# KiCad board RS64c.kicad_pcb
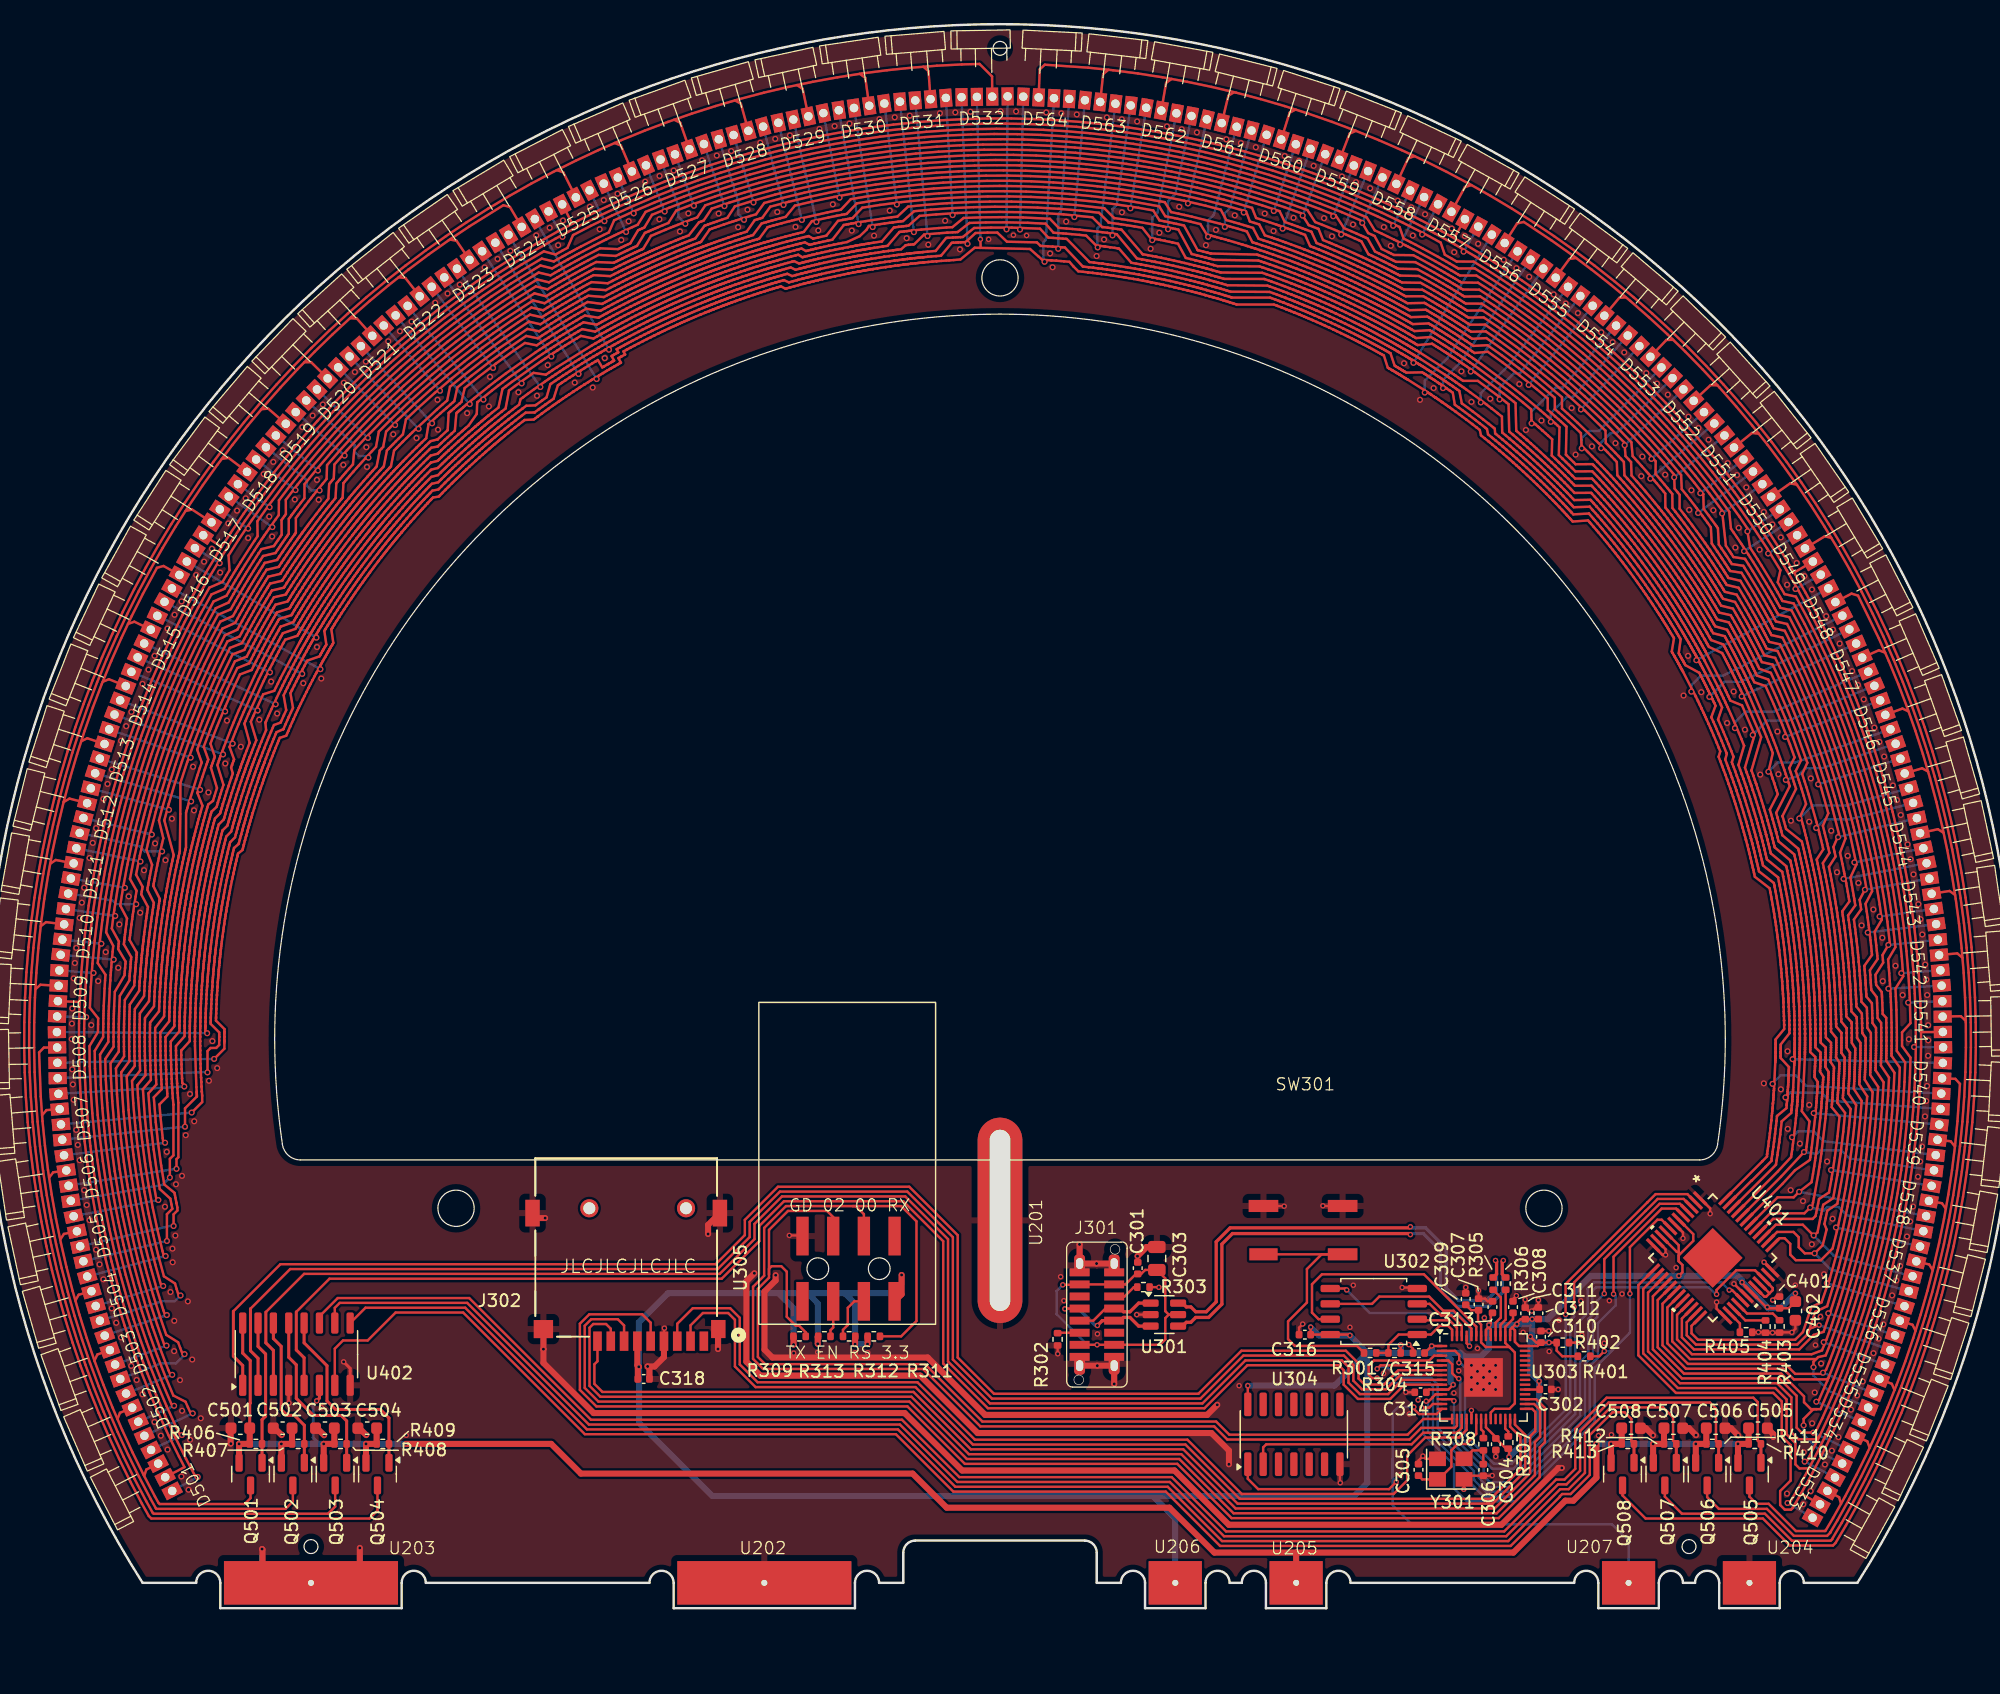
[diagram p0: board, top side]
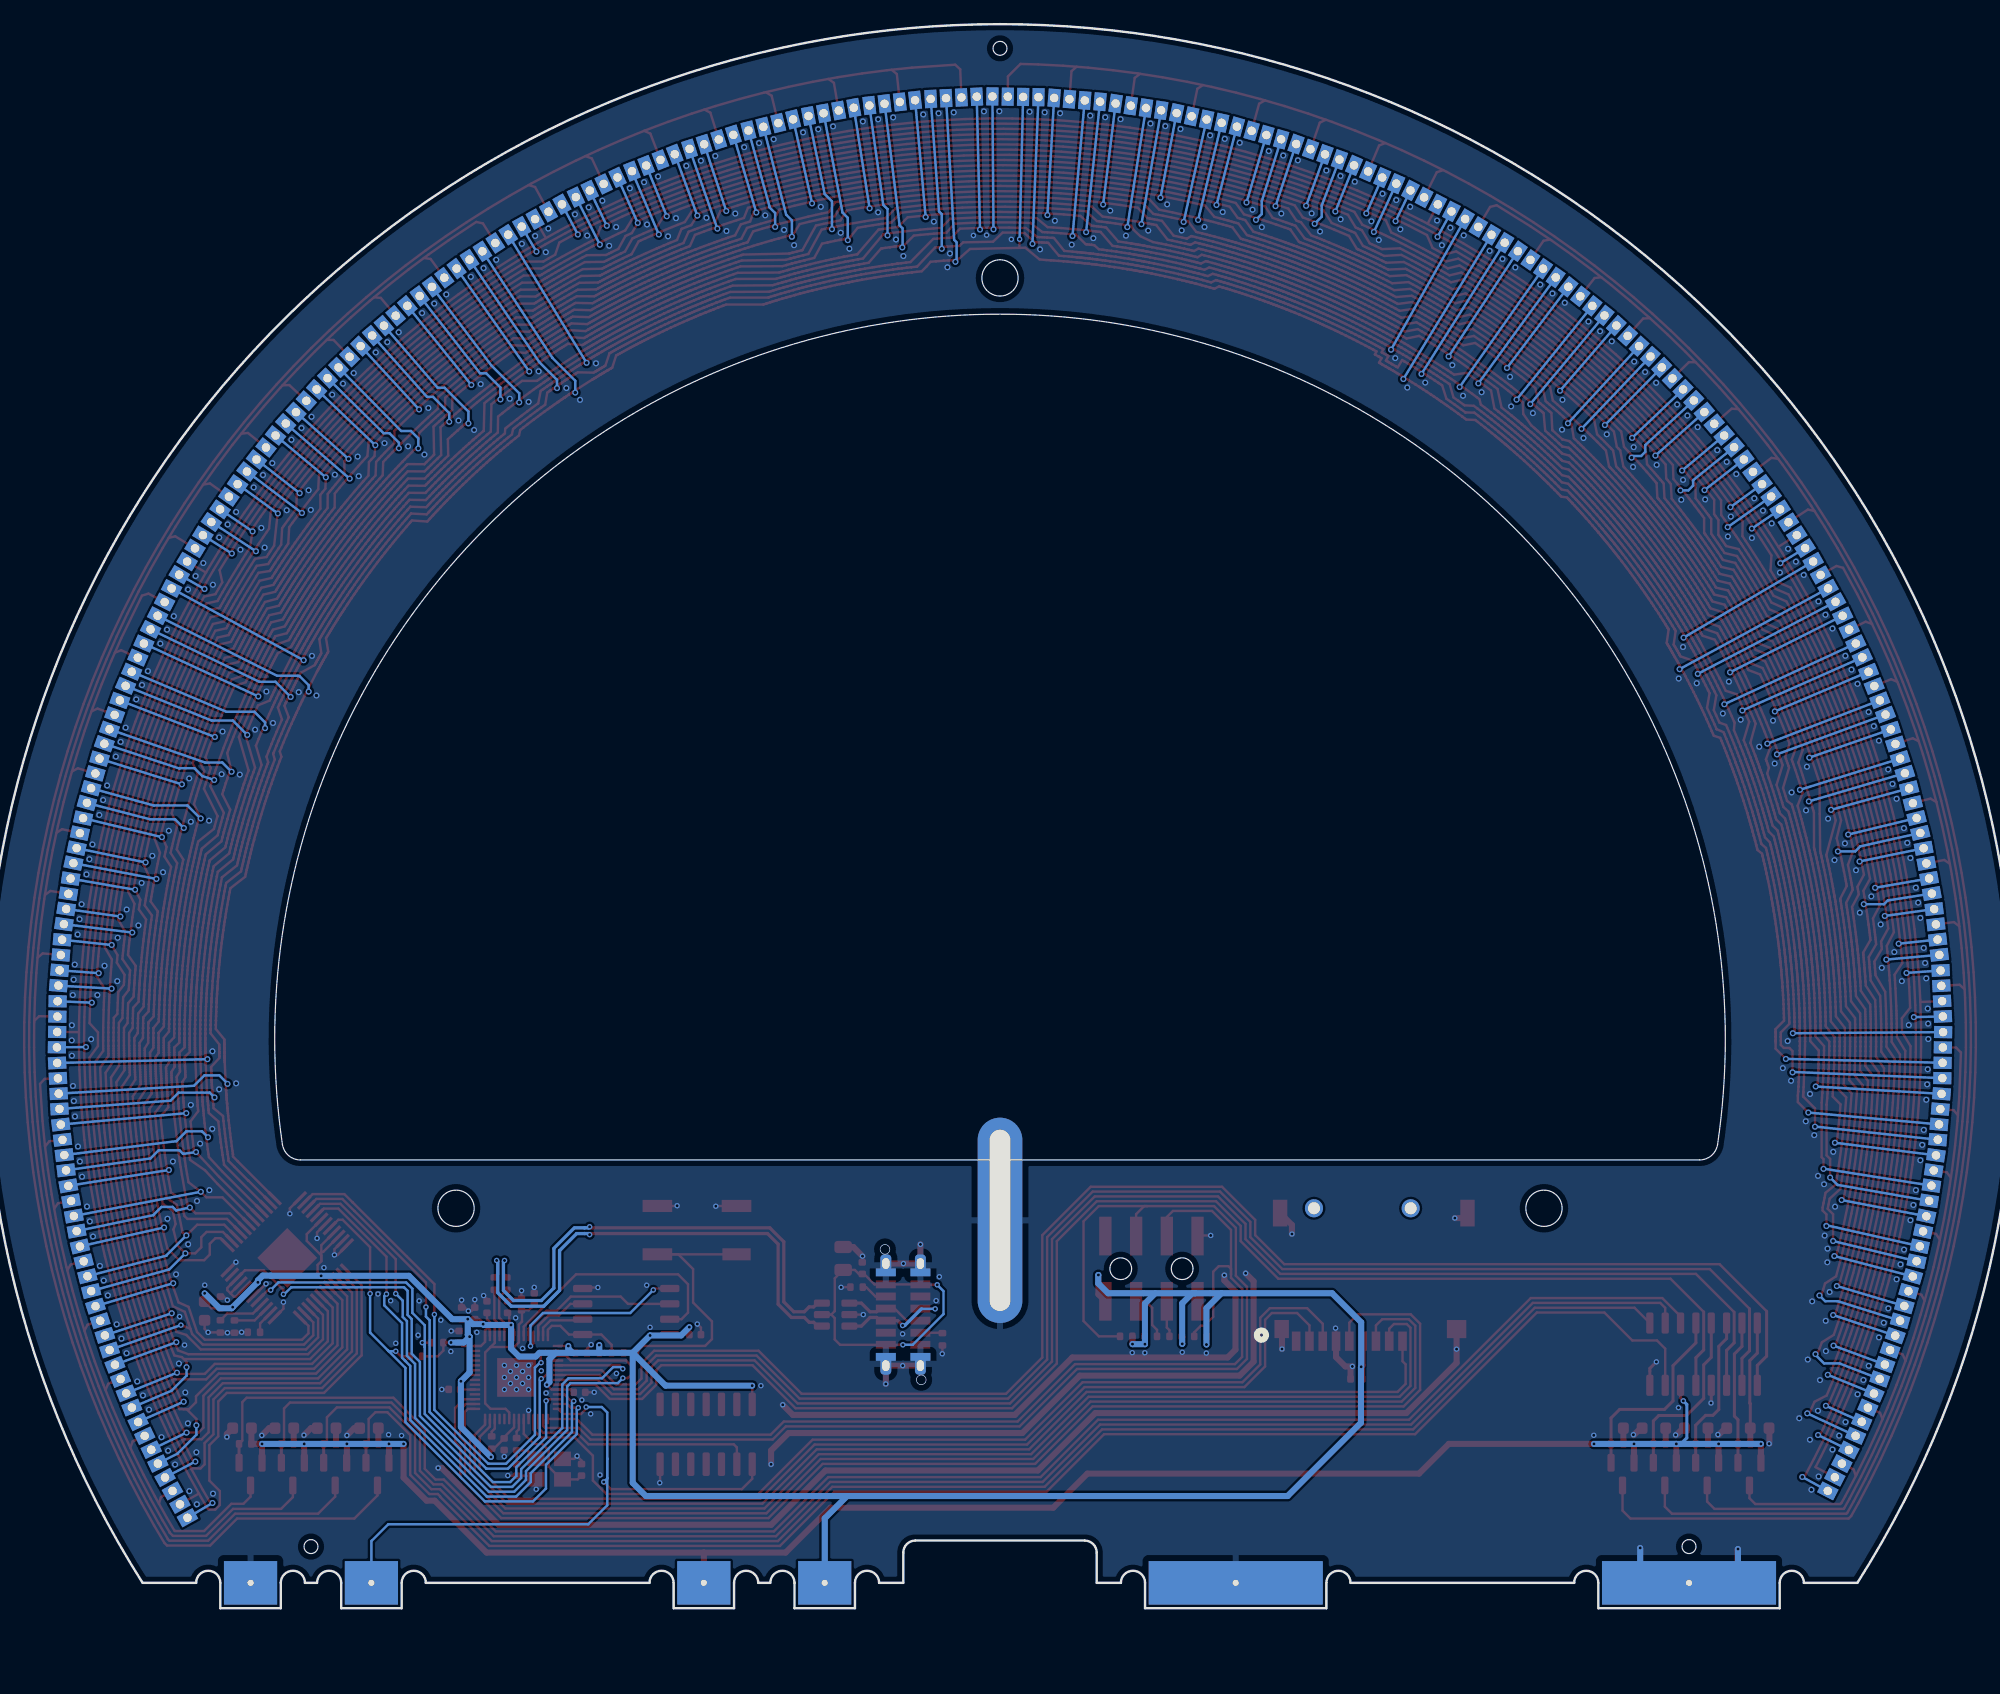
[diagram p1: board, bottom side, seen from below]

Outline 168 x 131.1 mm; copper layers: Top, In1.Cu, In2.Cu, Bottom. Coordinates in mm from the lower left corner of the outline.
Outline path: circle c39,33.1 r1.5 ; circle c84,110.1 r1.5 ; circle c129,33.1 r1.5 ; 13.07,2.1 arc(84,131.1) 154.93,2.1 150.5,2.1 arc(149.5,3.1) 148.5,2.1 148.5,0 143.5,0 143.5,2.1 arc(142.5,3.1) 141.5,2.1 140.5,2.1 arc(139.5,3.1) 138.5,2.1 138.5,0 133.5,0 133.5,2.1 arc(132.5,3.1) 131.5,2.1 113,2.1 arc(112,3.1) 111,2.1 111,0 106,0 106,2.1 arc(105,3.1) 104,2.1 103,2.1 arc(102,3.1) 101,2.1 101,0 96,0 96,2.1 arc(95,3.1) 94,2.1 92,2.1 92,4.6 arc(91.71,5.31) 91,5.6 77,5.6 arc(76.29,5.31) 76,4.6 76,2.1 74,2.1 arc(73,3.1) 72,2.1 72,0 57,0 57,2.1 arc(56,3.1) 55,2.1 36.5,2.1 arc(35.5,3.1) 34.5,2.1 34.5,0 19.5,0 19.5,2.1 arc(18.5,3.1) 17.5,2.1 13.07,2.1 ; 24.64,38.38 arc(84,107.1) 143.36,38.38 arc(142.86,37.46) 141.88,37.1 26.12,37.1 arc(25.14,37.46) 24.64,38.38
Stack: Top 0.035mm / dielectric 0.2104mm FR4 er 4.5 / In1.Cu 0.0152mm / dielectric 1.065mm FR4 er 4.5 / In2.Cu 0.0152mm / dielectric 0.2104mm FR4 er 4.5 / Bottom 0.035mm

## Placement (name value [footprint] x y rotation side)
C301  100nF  [C_0402_1005Metric]  95.39 28.15 270 top
C302  100nF  [C_0402_1005Metric]  129.13 18.11 180 top
C303  10µF  [C_0805_2012Metric]  96.97 28.95 90 top
C304  100nF  [C_0402_1005Metric]  125.02 13.57 270 top
C305  27pF  [C_0402_1005Metric]  118.62 11.45 270 top
C306  27pF  [C_0402_1005Metric]  123.98 11.44 270 top
C307  100nF  [C_0402_1005Metric]  123.59 25.14 270 top
C308  100nF  [C_0402_1005Metric]  126.44 24.92 270 top
C309  1µF  [C_0402_1005Metric]  122.53 25.59 270 top
C310  100nF  [C_0402_1005Metric]  128.75 22.46 270 top
C311  1µF  [C_0402_1005Metric]  127.45 24.4 270 top
C312  100nF  [C_0402_1005Metric]  128.54 24.41 270 top
C313  100nF  [C_0402_1005Metric]  124.74 24.92 270 top
C314  100nF  [C_0402_1005Metric]  118.79 17.87 0 top
C315  100nF  [C_0402_1005Metric]  118.65 21.12 0 top
C316  100nF  [C_0402_1005Metric]  109.22 22.64 0 top
C318  100nF  [C_0402_1005Metric]  54.52 18.97 180 top
C401  100nF  [C_0402_1005Metric]  148.49 25.31 90 top
C402  10µF  [C_0603_1608Metric]  149.8 24.61 270 top
C501  10µF  [C_0603_1608Metric]  21.15 14.9 180 top
C502  10µF  [C_0603_1608Metric]  24.65 14.9 180 top
C503  10µF  [C_0603_1608Metric]  28.15 14.9 180 top
C504  10µF  [C_0603_1608Metric]  31.65 14.9 180 top
C505  10µF  [C_0603_1608Metric]  146.7 14.9 0 top
C506  10µF  [C_0603_1608Metric]  143.2 14.9 0 top
C507  10µF  [C_0603_1608Metric]  139.7 14.9 0 top
C508  10µF  [C_0603_1608Metric]  136.2 14.9 0 top
D501  LED_BARG  [Straw_Hat_RGB_left]  14.65 11.4 117.2 top
D502  LED_BARG  [Straw_Hat_RGB_left]  12.46 16.02 113.5 top
D503  LED_BARG  [Straw_Hat_RGB_left]  10.58 20.77 109.7 top
D504  LED_BARG  [Straw_Hat_RGB_left]  9.01 25.63 106 top
D505  LED_BARG  [Straw_Hat_RGB_left]  7.77 30.58 102.2 top
D506  LED_BARG  [Straw_Hat_RGB_left]  6.85 35.6 98.5 top
D507  LED_BARG  [Straw_Hat_RGB_left]  6.26 40.67 94.7 top
D508  LED_BARG  [Straw_Hat_RGB_left]  6.01 45.77 91 top
D509  LED_BARG  [Straw_Hat_RGB_left]  6.09 50.88 87.2 top
D510  LED_BARG  [Straw_Hat_RGB_left]  6.51 55.97 83.5 top
D511  LED_BARG  [Straw_Hat_RGB_left]  7.25 61.02 79.7 top
D512  LED_BARG  [Straw_Hat_RGB_left]  8.33 66.01 76 top
D513  LED_BARG  [Straw_Hat_RGB_left]  9.73 70.92 72.2 top
D514  LED_BARG  [Straw_Hat_RGB_left]  11.44 75.73 68.5 top
D515  LED_BARG  [Straw_Hat_RGB_left]  13.47 80.42 64.7 top
D516  LED_BARG  [Straw_Hat_RGB_left]  15.8 84.96 61 top
D517  LED_BARG  [Straw_Hat_RGB_left]  18.43 89.34 57.2 top
D518  LED_BARG  [Straw_Hat_RGB_left]  21.33 93.54 53.5 top
D519  LED_BARG  [Straw_Hat_RGB_left]  24.5 97.54 49.7 top
D520  LED_BARG  [Straw_Hat_RGB_left]  27.93 101.33 46 top
D521  LED_BARG  [Straw_Hat_RGB_left]  31.6 104.88 42.2 top
D522  LED_BARG  [Straw_Hat_RGB_left]  35.49 108.18 38.5 top
D523  LED_BARG  [Straw_Hat_RGB_left]  39.59 111.23 34.7 top
D524  LED_BARG  [Straw_Hat_RGB_left]  43.88 113.99 30.9 top
D525  LED_BARG  [Straw_Hat_RGB_left]  48.35 116.48 27.2 top
D526  LED_BARG  [Straw_Hat_RGB_left]  52.96 118.66 23.4 top
D527  LED_BARG  [Straw_Hat_RGB_left]  57.71 120.54 19.7 top
D528  LED_BARG  [Straw_Hat_RGB_left]  62.57 122.1 15.9 top
D529  LED_BARG  [Straw_Hat_RGB_left]  67.53 123.34 12.2 top
D530  LED_BARG  [Straw_Hat_RGB_left]  72.55 124.26 8.4 top
D531  LED_BARG  [Straw_Hat_RGB_left]  77.62 124.84 4.7 top
D532  LED_BARG  [Straw_Hat_RGB_left]  82.72 125.09 0.9 top
D533  LED_BARG  [Straw_Hat_RGB_right]  152.15 9.15 240.9 top
D534  LED_BARG  [Straw_Hat_RGB_right]  154.48 13.69 244.6 top
D535  LED_BARG  [Straw_Hat_RGB_right]  156.52 18.38 248.4 top
D536  LED_BARG  [Straw_Hat_RGB_right]  158.24 23.18 252.1 top
D537  LED_BARG  [Straw_Hat_RGB_right]  159.65 28.09 255.9 top
D538  LED_BARG  [Straw_Hat_RGB_right]  160.73 33.08 259.6 top
D539  LED_BARG  [Straw_Hat_RGB_right]  161.48 38.13 263.4 top
D540  LED_BARG  [Straw_Hat_RGB_right]  161.9 43.22 267.2 top
D541  LED_BARG  [Straw_Hat_RGB_right]  161.99 48.33 270.9 top
D542  LED_BARG  [Straw_Hat_RGB_right]  161.74 53.43 274.7 top
D543  LED_BARG  [Straw_Hat_RGB_right]  161.16 58.5 278.4 top
D544  LED_BARG  [Straw_Hat_RGB_right]  160.25 63.53 282.2 top
D545  LED_BARG  [Straw_Hat_RGB_right]  159.01 68.48 285.9 top
D546  LED_BARG  [Straw_Hat_RGB_right]  157.45 73.34 289.7 top
D547  LED_BARG  [Straw_Hat_RGB_right]  155.58 78.09 293.4 top
D548  LED_BARG  [Straw_Hat_RGB_right]  153.4 82.71 297.2 top
D549  LED_BARG  [Straw_Hat_RGB_right]  150.92 87.17 300.9 top
D550  LED_BARG  [Straw_Hat_RGB_right]  148.15 91.46 304.7 top
D551  LED_BARG  [Straw_Hat_RGB_right]  145.11 95.57 308.4 top
D552  LED_BARG  [Straw_Hat_RGB_right]  141.81 99.46 312.2 top
D553  LED_BARG  [Straw_Hat_RGB_right]  138.26 103.13 315.9 top
D554  LED_BARG  [Straw_Hat_RGB_right]  134.48 106.56 319.7 top
D555  LED_BARG  [Straw_Hat_RGB_right]  130.48 109.74 323.4 top
D556  LED_BARG  [Straw_Hat_RGB_right]  126.28 112.65 327.2 top
D557  LED_BARG  [Straw_Hat_RGB_right]  121.9 115.27 330.9 top
D558  LED_BARG  [Straw_Hat_RGB_right]  117.36 117.61 334.7 top
D559  LED_BARG  [Straw_Hat_RGB_right]  112.68 119.64 338.4 top
D560  LED_BARG  [Straw_Hat_RGB_right]  107.87 121.36 342.2 top
D561  LED_BARG  [Straw_Hat_RGB_right]  102.96 122.76 345.9 top
D562  LED_BARG  [Straw_Hat_RGB_right]  97.97 123.84 349.7 top
D563  LED_BARG  [Straw_Hat_RGB_right]  92.92 124.59 353.4 top
D564  LED_BARG  [Straw_Hat_RGB_right]  87.83 125.01 357.2 top
J301  USB_C_Receptacle_USB2.0  [USB_C_7082A]  92.01 24.3 90 top
J302  Micro_SD_Card  [microSD_SMD]  59.5 22.6 180 top
Q501  IRLML6401  [SOT-23]  22 11.1 270 top
Q502  IRLML6401  [SOT-23]  25.5 11.1 270 top
Q503  IRLML6401  [SOT-23]  29 11.1 270 top
Q504  IRLML6401  [SOT-23]  32.5 11.1 270 top
Q505  IRLML6401  [SOT-23]  146 11.1 270 top
Q506  IRLML6401  [SOT-23]  142.5 11.1 270 top
Q507  IRLML6401  [SOT-23]  139 11.1 270 top
Q508  IRLML6401  [SOT-23]  135.5 11.1 270 top
R301  1k  [R_0402_1005Metric]  114.62 21.13 0 top
R302  5k1  [R_0402_1005Metric]  88.76 22.26 270 top
R303  5k1  [R_0402_1005Metric]  95.86 26.58 0 top
R304  do not fit  [R_0402_1005Metric]  116.64 21.13 0 top
R305  27R  [R_0402_1005Metric]  124.8 26.86 270 top
R306  27R  [R_0402_1005Metric]  125.83 26.86 270 top
R307  10k  [R_0402_1005Metric]  126.05 13.71 270 top
R308  1k  [R_0402_1005Metric]  123.99 13.57 90 top
R309  10k  [R_0402_1005Metric]  67.42 22.5 180 top
R311  10k  [R_0402_1005Metric]  73.56 22.5 180 top
R312  10k  [R_0402_1005Metric]  71.52 22.5 0 top
R313  10k  [R_0402_1005Metric]  69.47 22.5 180 top
R401  10k  [R_0402_1005Metric]  132.32 20.85 0 top
R402  10k  [R_0402_1005Metric]  130.56 21.98 180 top
R403  270  [R_0402_1005Metric]  148.49 23.32 270 top
R404  270  [R_0402_1005Metric]  147.33 23.31 270 top
R405  270  [R_0402_1005Metric]  145.72 22.84 0 top
R406  47k  [R_0402_1005Metric]  22.44 13.6 0 top
R407  47k  [R_0402_1005Metric]  25.94 13.6 0 top
R408  47k  [R_0402_1005Metric]  29.44 13.6 0 top
R409  47k  [R_0402_1005Metric]  32.94 13.6 0 top
R410  47k  [R_0402_1005Metric]  146.44 13.6 0 top
R411  47k  [R_0402_1005Metric]  142.94 13.6 0 top
R412  47k  [R_0402_1005Metric]  139.44 13.6 0 top
R413  47k  [R_0402_1005Metric]  135.94 13.6 0 top
SW301  SW_Push_Dual  [PS-5824SVA-4PN]  109.07 31.29 0 top
U201  ~  [slot]  84 32.1 90 top
U202  ~  [edge_contact]  64.5 2.1 0 top
U203  ~  [edge_contact]  27 2.1 0 top
U204  ~  [edge_contact_small]  146 2.1 0 top
U205  ~  [edge_contact_small]  108.5 2.1 0 top
U206  ~  [edge_contact_small]  98.5 2.1 0 top
U207  ~  [edge_contact_small]  136 2.1 0 top
U208  ~  [JLC_tooling_hole]  84 129.1 0 top
U209  ~  [JLC_tooling_hole]  141 5.1 0 top
U210  ~  [JLC_tooling_hole]  27 5.1 0 top
U301  USBLC6-2SC6  [SOT-23-6]  97.6 24.3 0 top
U302  W25Q128JVS  [SOIC-8_5.23x5.23mm_P1.27mm]  114.92 24.55 180 top
U303  RP2040  [QFN-56-1EP_7x7mm_P0.4mm_EP3.2x3.2mm]  124 19.1 0 top
U304  74AHC04  [SO-14_3.9x8.65mm_P1.27mm]  108.31 14.4 90 top
U305  ESP01s  [ESP01s_SMD]  71.47 28.1 0 top
U401  STP24DP05BTR  [TQFP48-EP_STM]  142.96 29 315 top
U402  74HCT138  [SO-16_3.9x9.9mm_P1.27mm]  25.79 21.03 90 top
Y301  12MHz  [Crystal_SMD_3225-4Pin_3.2x2.5mm]  121.29 11.51 0 top

## Library data of the parts
C301 C302 C304 C307 C308 C310 C312-C316 C318 C401 = -: LCSC: C307331; ki_fp_filters: C_*
C303 = -: LCSC: C15850; ki_fp_filters: CP_*
C305 C306 = -: LCSC: C1557; ki_fp_filters: C_*
C309 C311 = -: LCSC: C52923; ki_fp_filters: C_*
C402 C501-C508 = -: LCSC: C96446; ki_fp_filters: C_*
D501-D564 = -: Description: RGB LED, blue/anode/red/green; ki_fp_filters: LED* LED_SMD:* LED_THT:*
J301 = -: Datasheet: https://www.usb.org/sites/default/files/documents/usb_type-c.zip; LCSC: C3001289; ki_fp_filters: USB*C*Receptacle*
J302 = -: Datasheet: GT-TF003-H0185-02.pdf; LCSC: C5155564; ki_fp_filters: microSD*
Q501-Q508 = -: Datasheet: https://www.infineon.com/dgdl/irlml6401pbf.pdf?fileId=5546d462533600a401535668b96d2634; LCSC: C2835446; ki_fp_filters: SOT?23*
R301 R308 = -: LCSC: C11702; ki_fp_filters: R_*
R302 R303 = -: LCSC: C25905; ki_fp_filters: R_*
R304 = -: ki_fp_filters: R_*
R305 R306 = -: LCSC: C321419; ki_fp_filters: R_*
R307 R401 R402 = -: LCSC: C25744; ki_fp_filters: R_*
R309 R311-R313 = -: Description: Resistor; LCSC: C25744; ki_fp_filters: R_*
R403-R405 = -: LCSC: C25099; ki_fp_filters: R_*
R406-R413 = -: Description: Resistor; LCSC: C25792; ki_fp_filters: R_*
SW301 = -: Description: Push button switch, generic, symbol, four pins; LCSC: C5155584
U301 = -: Datasheet: https://www.st.com/resource/en/datasheet/usblc6-2.pdf; LCSC: C2687116; ki_fp_filters: SOT?23*
U302 = -: Datasheet: http://www.winbond.com/resource-files/w25q128jv_dtr%20revc%2003272018%20plus.pdf; LCSC: C97521; ki_fp_filters: SOIC*5.23x5.23mm*P1.27mm*
U303 = -: Datasheet: https://datasheets.raspberrypi.com/rp2040/rp2040-datasheet.pdf; LCSC: C2040; ki_fp_filters: QFN*1EP*7x7mm?P0.4mm*
U304 = -: Datasheet: https://assets.nexperia.com/documents/data-sheet/74AHC_AHCT04.pdf; Description: Hex Inverter; LCSC: C86613; ki_fp_filters: DIP*W7.62mm* SSOP?14* TSSOP?14*
U305 = -: LCSC: C3975149
U401 = -: Description: LED Driver IC 24 Output Linear Shift Register Dimming 80mA 48-TQFP-EP (7x7); MF: STMicroelectronics; Package: TQFP-48 STMicroelectronics; Price: None; CAT: 2460713; SnapEDA_Link: https://www.snapeda.com/parts/STP24DP05BTR/STMicroelectronics/view-part/?ref=snap; Purchase-URL: https://www.snapeda.com/api/url_track_click_mouser/?unipart_id=431154&manufacturer=STMicroelectronics&part_name=STP24DP05BTR&search_term=stp24dp05; SUPPLIER: farnell; Availability: In Stock; Check_prices: https://www.snapeda.com/parts/STP24DP05BTR/STMicroelectronics/view-part/?ref=eda; LCSC: C157417
U402 = -: Datasheet: http://www.ti.com/lit/ds/symlink/cd74hc238.pdf; Description: 3-to-8 line decoder/multiplexer inverting, DIP-16/SOIC-16/SSOP-16; LCSC: C352958; ki_fp_filters: DIP*W7.62mm* SOIC*3.9x9.9mm*P1.27mm* SSOP*5.3x6.2mm*P0.65mm*
Y301 = -: LCSC: C9002; ki_fp_filters: Crystal*

## Footprints (pads in the part's own frame, mm; a bottom-side part is the same pattern mirrored in y, then rotated)
C_0402_1005Metric
  rrect 0.56x0.62 smd: 1(-0.48,0) 2(0.48,0)
C_0603_1608Metric
  rrect 0.9x0.95 smd: 1(-0.775,0) 2(0.775,0)
C_0805_2012Metric
  rrect 1x1.45 smd: 1(-0.95,0) 2(0.95,0)
Crystal_SMD_3225-4Pin_3.2x2.5mm
  rect 1.4x1.2 smd: 1(-1.1,-0.85) 2(1.1,-0.85) 3(1.1,0.85) 4(-1.1,0.85)
edge_contact
  rect 14.4x3.6 hole 0.5: 1(0,0)
edge_contact_small
  rect 4.4x3.6 hole 0.5: 1(0,0)
ESP01s_SMD
  rect 1.02x3.2 smd: 1(-3.81,2.7) 2(-1.27,2.7) 3(1.27,2.7) 4(3.81,2.7) 5(-3.81,-2.7) 6(-1.27,-2.7) 7(1.27,-2.7) 8(3.81,-2.7)
microSD_SMD
  round 1.499 hole 0.991: (1.473,-10.5) (9.473,-10.5)
  rect 0.711x1.6 smd: 1(8.8,0.5) 2(7.7,0.5) 3(6.6,0.5) 4(5.5,0.5) 5(4.4,0.5) 6(3.3,0.5) 7(2.2,0.5) 8(1.1,0.5) 9(0,0.5)
  rect 1.194x1.499 smd: 10(-1.197,-0.506)
  rect 1.194x2.21 smd: 11(-1.327,-10.1) 12(14.173,-10.1)
  rect 1.6x1.499 smd: 13(13.273,-0.501)
PS-5824SVA-4PN
  rect 2.45x1 smd: 1(-3.275,2) 3(3.275,2) 4(3.275,-2)
  rect 2.34x1 smd: 2(-3.275,-2)
QFN-56-1EP_7x7mm_P0.4mm_EP3.2x3.2mm
  rrect 1.29x1.29 smd: (-0.8,0.8) (-0.8,-0.8) (0.8,0.8) (0.8,-0.8)
  rrect 0.875x0.2 smd: 1(-3.438,2.6) 2(-3.438,2.2) 3(-3.438,1.8) 4(-3.438,1.4) 5(-3.438,1) 6(-3.438,0.6) 7(-3.438,0.2) 8(-3.438,-0.2) 9(-3.438,-0.6) 10(-3.438,-1) 11(-3.438,-1.4) 12(-3.438,-1.8) 13(-3.438,-2.2) 14(-3.438,-2.6) 29(3.438,-2.6) 30(3.438,-2.2) 31(3.438,-1.8) 32(3.438,-1.4) 33(3.438,-1) 34(3.438,-0.6) 35(3.438,-0.2) 36(3.438,0.2) 37(3.438,0.6) 38(3.438,1) 39(3.438,1.4) 40(3.438,1.8) 41(3.438,2.2) 42(3.438,2.6)
  rrect 0.2x0.875 smd: 15(-2.6,-3.438) 16(-2.2,-3.438) 17(-1.8,-3.438) 18(-1.4,-3.438) 19(-1,-3.438) 20(-0.6,-3.438) 21(-0.2,-3.438) 22(0.2,-3.438) 23(0.6,-3.438) 24(1,-3.438) 25(1.4,-3.438) 26(1.8,-3.438) 27(2.2,-3.438) 28(2.6,-3.438) 43(2.6,3.438) 44(2.2,3.438) 45(1.8,3.438) 46(1.4,3.438) 47(1,3.438) 48(0.6,3.438) 49(0.2,3.438) 50(-0.2,3.438) 51(-0.6,3.438) 52(-1,3.438) 53(-1.4,3.438) 54(-1.8,3.438) 55(-2.2,3.438) 56(-2.6,3.438)
  rect 3.2x3.2 smd: 57(0,0)
R_0402_1005Metric
  rrect 0.54x0.64 smd: 1(-0.51,0) 2(0.51,0)
slot
  rrect 17x3.7 hole 15x1.7: 1(0,0)
SO-14_3.9x8.65mm_P1.27mm
  rrect 1.95x0.6 smd: 1(-2.475,3.81) 2(-2.475,2.54) 3(-2.475,1.27) 4(-2.475,0) 5(-2.475,-1.27) 6(-2.475,-2.54) 7(-2.475,-3.81) 8(2.475,-3.81) 9(2.475,-2.54) 10(2.475,-1.27) 11(2.475,0) 12(2.475,1.27) 13(2.475,2.54) 14(2.475,3.81)
SO-16_3.9x9.9mm_P1.27mm
  rrect 1.75x0.6 smd: 1(-2.575,4.445) 2(-2.575,3.175) 3(-2.575,1.905) 4(-2.575,0.635) 5(-2.575,-0.635) 6(-2.575,-1.905) 7(-2.575,-3.175) 8(-2.575,-4.445) 9(2.575,-4.445) 10(2.575,-3.175) 11(2.575,-1.905) 12(2.575,-0.635) 13(2.575,0.635) 14(2.575,1.905) 15(2.575,3.175) 16(2.575,4.445)
SOIC-8_5.23x5.23mm_P1.27mm
  rrect 1.6x0.6 smd: 1(-3.6,1.905) 2(-3.6,0.635) 3(-3.6,-0.635) 4(-3.6,-1.905) 5(3.6,-1.905) 6(3.6,-0.635) 7(3.6,0.635) 8(3.6,1.905)
SOT-23
  rrect 1.475x0.6 smd: 1(-0.938,0.95) 2(-0.938,-0.95) 3(0.938,0)
SOT-23-6
  rrect 1.325x0.6 smd: 1(-1.137,0.95) 2(-1.137,0) 3(-1.137,-0.95) 4(1.137,-0.95) 5(1.137,0) 6(1.137,0.95)
Straw_Hat_RGB_left
  rect 1x1.5 hole 0.7: 1(1.905,0) 2(0.635,0) 3(-0.635,0) 4(-1.905,0)
Straw_Hat_RGB_right
  rect 1x1.5 hole 0.7: 1(-1.905,0) 2(-0.635,0) 3(0.635,0) 4(1.905,0)
TQFP48-EP_STM
  rect 1.461x0.27 smd: 1(-4.225,2.75) 2(-4.225,2.25) 3(-4.225,1.75) 4(-4.225,1.25) 5(-4.225,0.75) 6(-4.225,0.25) 7(-4.225,-0.25) 8(-4.225,-0.75) 9(-4.225,-1.25) 10(-4.225,-1.75) 11(-4.225,-2.25) 12(-4.225,-2.75) 25(4.225,-2.75) 26(4.225,-2.25) 27(4.225,-1.75) 28(4.225,-1.25) 29(4.225,-0.75) 30(4.225,-0.25) 31(4.225,0.25) 32(4.225,0.75) 33(4.225,1.25) 34(4.225,1.75) 35(4.225,2.25) 36(4.225,2.75)
  rect 0.27x1.461 smd: 13(-2.75,-4.225) 14(-2.25,-4.225) 15(-1.75,-4.225) 16(-1.25,-4.225) 17(-0.75,-4.225) 18(-0.25,-4.225) 19(0.25,-4.225) 20(0.75,-4.225) 21(1.25,-4.225) 22(1.75,-4.225) 23(2.25,-4.225) 24(2.75,-4.225) 37(2.75,4.225) 38(2.25,4.225) 39(1.75,4.225) 40(1.25,4.225) 41(0.75,4.225) 42(0.25,4.225) 43(-0.25,4.225) 44(-0.75,4.225) 45(-1.25,4.225) 46(-1.75,4.225) 47(-2.25,4.225) 48(-2.75,4.225)
  rect 3.5x3.5 smd: EPAD(0,0)
USB_C_7082A
  custom 1.8x1.65 hole 1.2x0.6: A1(-4.225,1.43) A12(4.225,1.43) B1(4.225,-1.43) B12(-4.225,-1.43)
  rect 0.65x1.65 smd: A4(-2.5,1.43) A5(-1.5,1.43) A6(-0.5,1.43) A7(0.5,1.43) A8(1.5,1.43) A9(2.5,1.43) B4(2.5,-1.43) B5(1.5,-1.43) B6(0.5,-1.43) B7(-0.5,-1.43) B8(-1.5,-1.43) B9(-2.5,-1.43)

## Nets
+1V1: C307.2 C308.2 C309.2 U303.23 U303.45 U303.50
+3.3V: C302.2 C304.1 C310.2 C311.2 C312.2 C313.2 C314.2 C315.2 C316.2 C318.2 C401.1 C402.1 J302.4 R304.2 R307.2 R309.2 R311.2 R312.2 R313.2 R401.1 R402.2 U206.1 U302.8 U303.1 U303.10 U303.22 U303.33 U303.42 U303.43 U303.44 U303.48 U303.49 U304.14 U305.8 U401.6 U401.9 U401.10 U401.31
+5V: C501.1 C502.1 C503.1 C504.1 C505.1 C506.1 C507.1 C508.1 Q501.2 Q502.2 Q503.2 Q504.2 Q505.2 Q506.2 Q507.2 Q508.2 R406.1 R407.1 R408.1 R409.1 R410.1 R411.1 R412.1 R413.1 U205.1 U402.6 U402.16
/RP2040/VBUS4: C301.2 C303.1 J301.A4 J301.A9 J301.B4 J301.B9 U301.5
GND: C301.1 C302.1 C303.2 C304.2 C305.1 C306.2 C307.1 C308.1 C309.1 C310.1 C311.1 C312.1 C313.1 C314.1 C315.1 C316.1 C318.1 C401.2 C402.2 C501.2 C502.2 C503.2 C504.2 C505.2 C506.2 C507.2 C508.2 J301.A1 J301.A12 J301.B1 J301.B12 J302.6 J302.10 J302.11 J302.12 J302.13 R302.2 R303.2 R403.2 R404.2 R405.2 SW301.1 SW301.3 U201.1 U202.1 U203.1 U204.1 U301.2 U302.4 U303.19 U303.57 U304.7 U305.1 U401.1 U401.7 U401.11 U401.12 U401.25 U401.30 U401.36 U402.4 U402.8 Y301.2 Y301.4
/LED_electronics/REXTB1: R405.1 U401.26
/LED_electronics/REXTG1: R404.1 U401.27
/LED_electronics/REXTR1: R403.1 U401.28
/RP2040/QSPI_SCLK: U302.6 U303.52
/RP2040/QSPI_SD0: U302.5 U303.53
/RP2040/QSPI_SD1: U302.2 U303.55
/RP2040/QSPI_SD2: U302.3 U303.54
/RP2040/QSPI_SD3: U302.7 U303.51
/RP2040/QSPI_SS: R301.2 R304.1 U302.1 U303.56
/RP2040/RP_D+: J301.A6 J301.B6 U301.1
/RP2040/RP_D-: J301.A7 J301.B7 U301.3
/RP2040/RUN: R307.1 U303.26
/RP2040/UD_2040+: R305.1 U301.6
/RP2040/UD_2040-: R306.1 U301.4
/RP2040/UD_2040_+: R305.2 U303.47
/RP2040/UD_2040_-: R306.2 U303.46
/RP2040/XIN: C305.2 U303.20 Y301.1
/RP2040/XOUT: C306.1 R308.1 Y301.3
/RP2040/XOUT_: R308.2 U303.21
_Hall_: U303.17 U304.2
CLK: U303.3 U401.4
DM: U303.11 U401.5
EF: R402.1 U303.12 U401.29
Hall: U207.1 U303.14 U304.1
I2C0_SCL: R311.1 U303.16 U305.3
I2C0_SDA: R309.1 U303.15 U305.2
LE: U303.4 U401.3
LED_B00: D501.1 D509.1 D517.1 D525.1 D533.1 D541.1 D549.1 D557.1 U401.15
LED_B01: D502.1 D510.1 D518.1 D526.1 D534.1 D542.1 D550.1 D558.1 U401.18
LED_B02: D503.1 D511.1 D519.1 D527.1 D535.1 D543.1 D551.1 D559.1 U401.21
LED_B03: D504.1 D512.1 D520.1 D528.1 D536.1 D544.1 D552.1 D560.1 U401.24
LED_B04: D505.1 D513.1 D521.1 D529.1 D537.1 D545.1 D553.1 D561.1 U401.37
LED_B05: D506.1 D514.1 D522.1 D530.1 D538.1 D546.1 D554.1 D562.1 U401.40
LED_B06: D507.1 D515.1 D523.1 D531.1 D539.1 D547.1 D555.1 D563.1 U401.43
LED_B07: D508.1 D516.1 D524.1 D532.1 D540.1 D548.1 D556.1 D564.1 U401.46
LED_G00: D501.4 D509.4 D517.4 D525.4 D533.4 D541.4 D549.4 D557.4 U401.14
LED_G01: D502.4 D510.4 D518.4 D526.4 D534.4 D542.4 D550.4 D558.4 U401.17
LED_G02: D503.4 D511.4 D519.4 D527.4 D535.4 D543.4 D551.4 D559.4 U401.20
LED_G03: D504.4 D512.4 D520.4 D528.4 D536.4 D544.4 D552.4 D560.4 U401.23
LED_G04: D505.4 D513.4 D521.4 D529.4 D537.4 D545.4 D553.4 D561.4 U401.38
LED_G05: D506.4 D514.4 D522.4 D530.4 D538.4 D546.4 D554.4 D562.4 U401.41
LED_G06: D507.4 D515.4 D523.4 D531.4 D539.4 D547.4 D555.4 D563.4 U401.44
LED_G07: D508.4 D516.4 D524.4 D532.4 D540.4 D548.4 D556.4 D564.4 U401.47
LED_R00: D501.3 D509.3 D517.3 D525.3 D533.3 D541.3 D549.3 D557.3 U401.13
LED_r00: Q501.1 R406.2 U402.15
LED_R01: D502.3 D510.3 D518.3 D526.3 D534.3 D542.3 D550.3 D558.3 U401.16
LED_r01: Q502.1 R407.2 U402.14
LED_R02: D503.3 D511.3 D519.3 D527.3 D535.3 D543.3 D551.3 D559.3 U401.19
LED_r02: Q503.1 R408.2 U402.13
LED_R03: D504.3 D512.3 D520.3 D528.3 D536.3 D544.3 D552.3 D560.3 U401.22
LED_r03: Q504.1 R409.2 U402.12
LED_R04: D505.3 D513.3 D521.3 D529.3 D537.3 D545.3 D553.3 D561.3 U401.39
LED_r04: Q505.1 R410.2 U402.11
LED_R05: D506.3 D514.3 D522.3 D530.3 D538.3 D546.3 D554.3 D562.3 U401.42
LED_r05: Q506.1 R411.2 U402.10
LED_r06: Q507.1 R412.2 U402.9
LED_R06: D507.3 D515.3 D523.3 D531.3 D539.3 D547.3 D555.3 D563.3 U401.45
LED_R07: D508.3 D516.3 D524.3 D532.3 D540.3 D548.3 D556.3 D564.3 U401.48
LED_r07: Q508.1 R413.2 U402.7
OE: U303.5 U401.32 U401.33 U401.34
row0: U303.6 U402.1
row1: U303.7 U402.2
row2: U303.8 U402.3
row3: U303.9 U402.5
SD_CLK: J302.5 U303.31
SD_CMD: J302.3 U303.30
SD_DAT0: J302.7 U303.18
SD_DAT1: J302.8 U303.27
SD_DAT2: J302.1 U303.28
SD_DAT3: J302.2 U303.29
SDI: U303.2 U401.2
TF: R401.2 U303.13 U401.8
Net-(D501-A): D501.2 D502.2 D503.2 D504.2 D505.2 D506.2 D507.2 D508.2 Q501.3
Net-(D509-A): D509.2 D510.2 D511.2 D512.2 D513.2 D514.2 D515.2 D516.2 Q502.3